# KiCad board AICORS_PCB.kicad_pcb (continued)
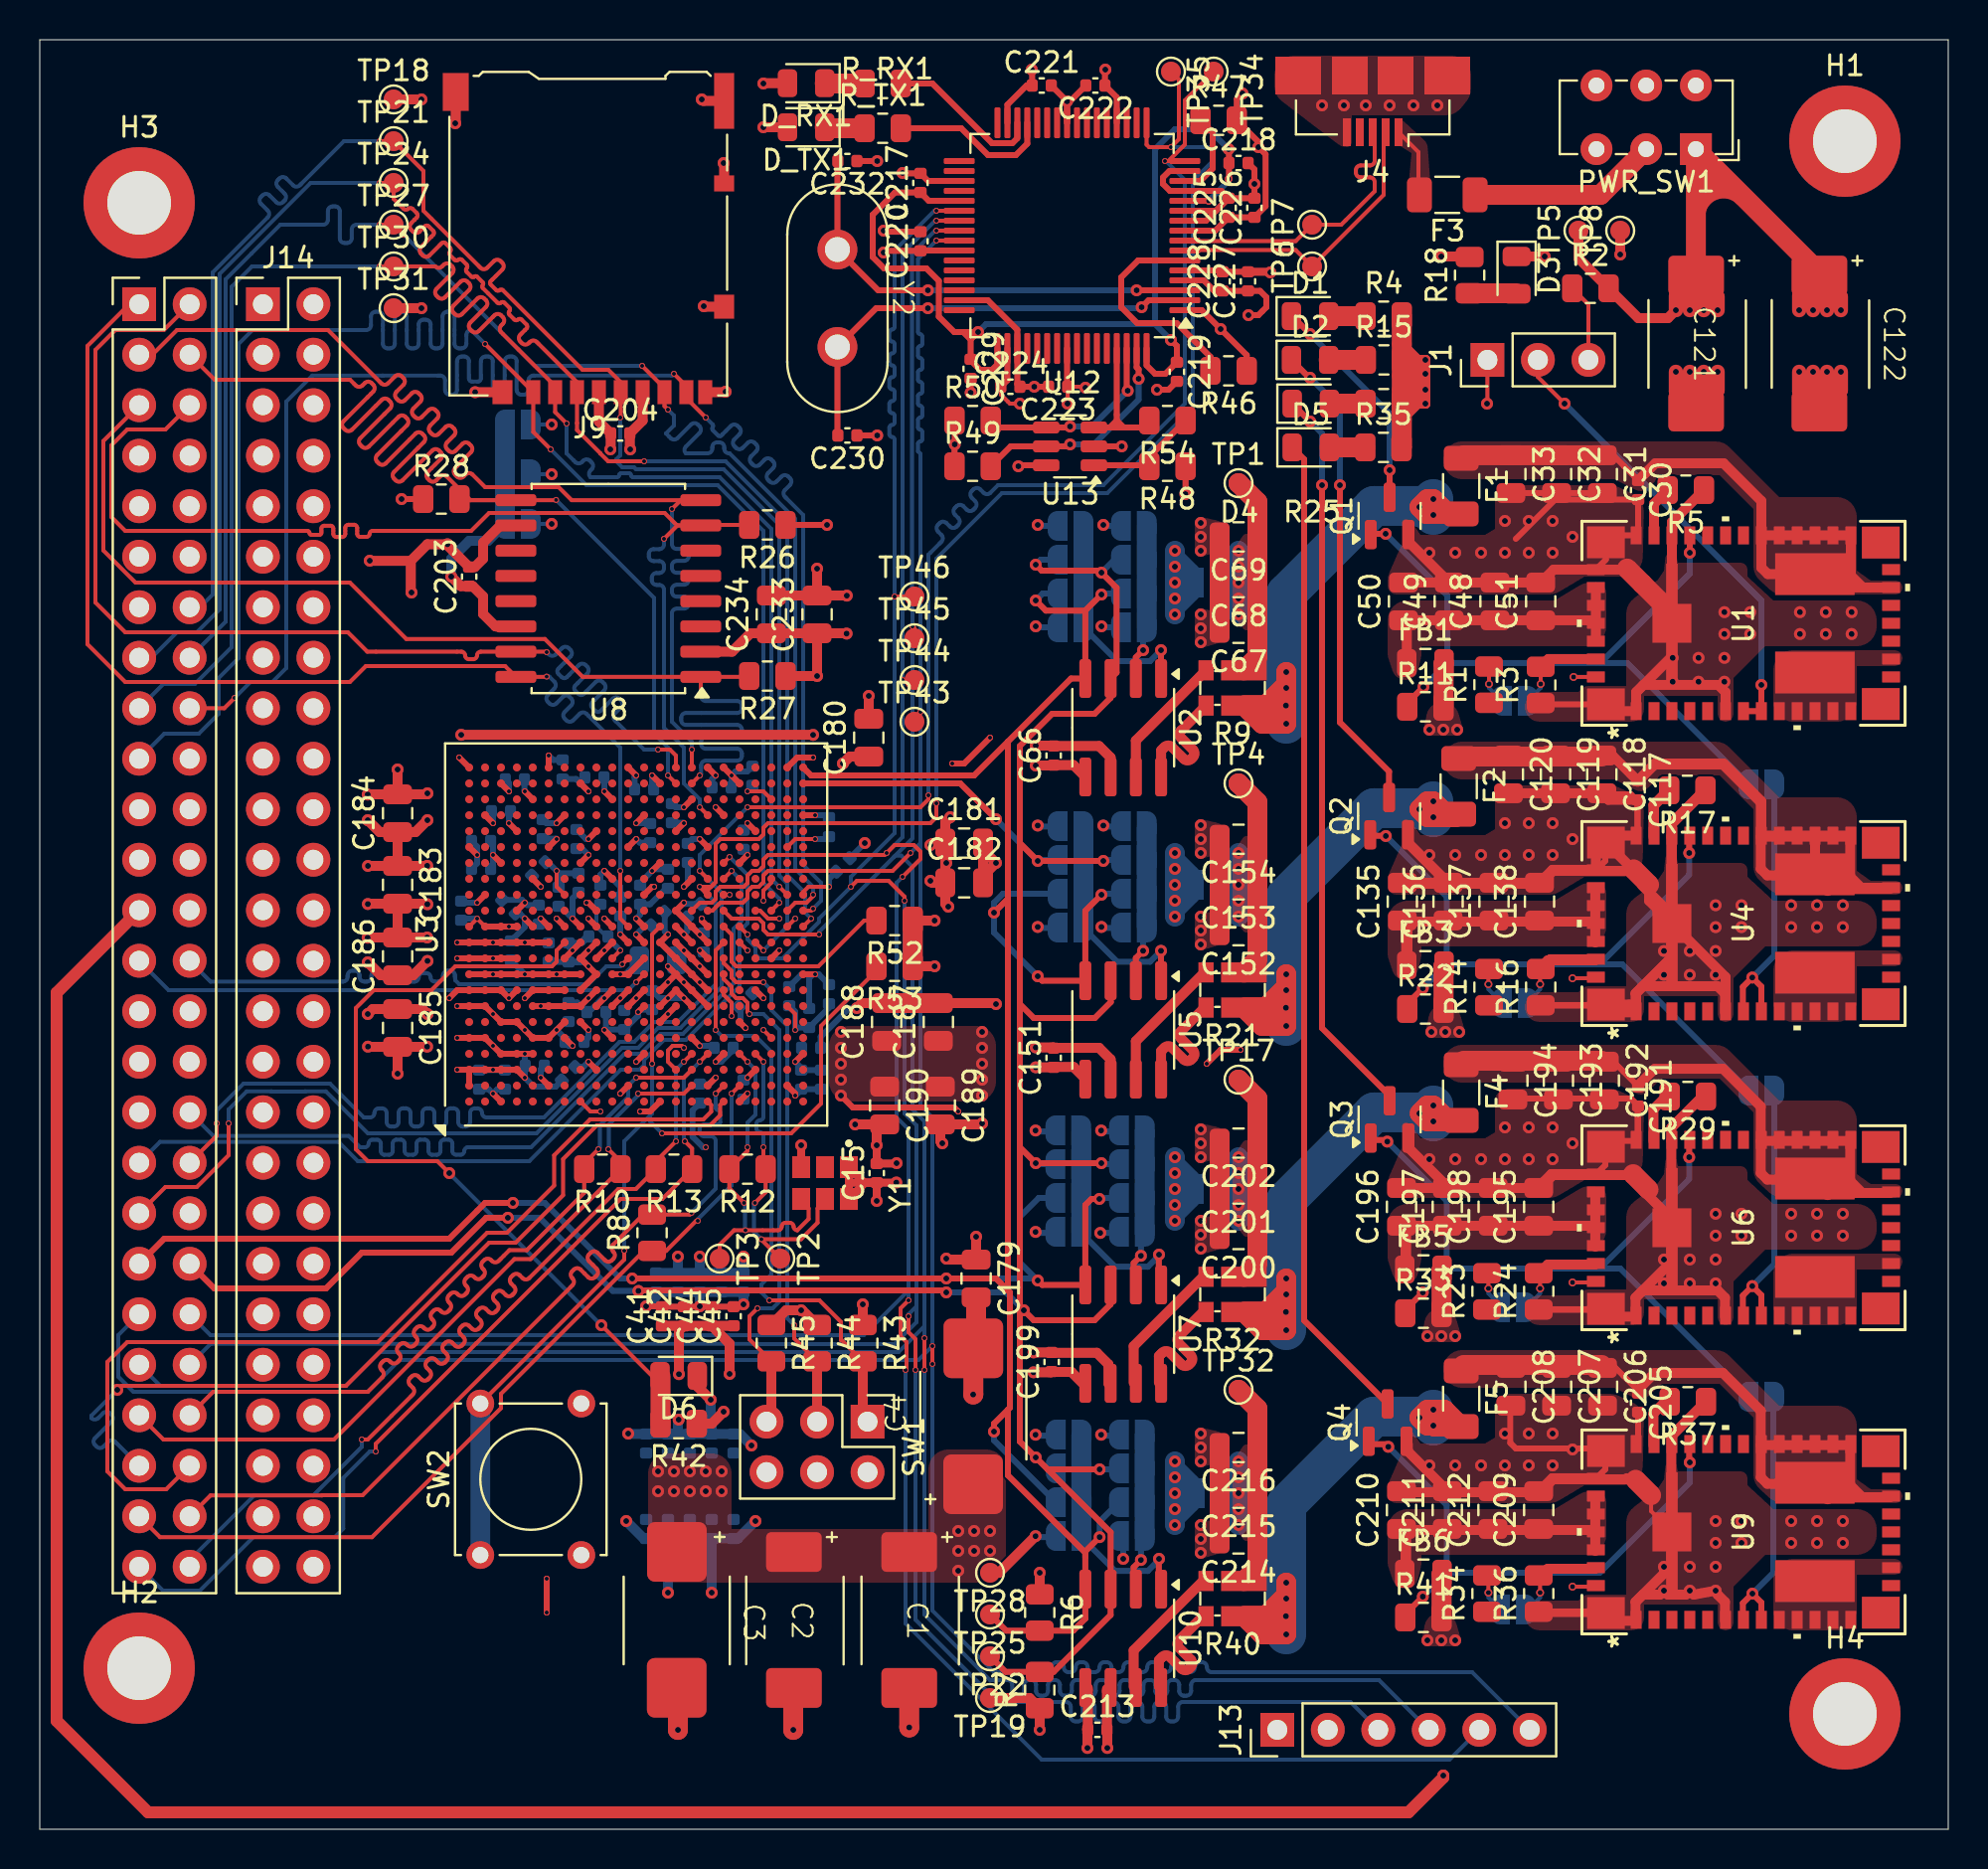
[diagram p0: board, top side]
## Routing (per net, layer and track width the routed paths; a pad name or vN(x,y) marks a point on that pad's centre or on a via; arc(x,y) is an arc through that point) (continued)
UART_2_TX: length 42.3
  Top w0.2: U3.U16 v1(34.7,48.9)
  Bottom w0.2: J10.35 6.05,34.57 15.03,34.57 16,33.6 24.62,33.6 29.22,38.2 30.17,38.2 30.4,38.43 30.4,38.7 31.4,39.7 32.5,39.7 35.2,42.4 35.2,45.17 35.6,45.57 35.6,48 v1(34.7,48.9)
USB_1V8: length 51.7
  Top w0.3: 46.11,75.3 46.45,75.3 46.82,74.93 ; 46.11,75.3 v2(47.2,75.3) 46.82,74.93 ; 46.11,75.3 46,75.3 45.23,76.08 45.23,77.88 44.6,78.5 42.47,78.5 41.9,79.07 41.9,81.2 43.02,82.32 C217.1 44.72,81.9 U12.37 ; 46.82,74.93 C229.1 46.82,73.88 47.3,73.4 47.9,73.4 48.18,73.68 U12.49 ; U12.12 v3(58.8,81.9) ; v2(56.9,74.9) 57.2,74.6 C219.1 56.62,73.2 56.1,73.2 55.68,73.63 U12.64 ; v3(59.8,83) 59.82,83.02 C218.1 59.82,84.48 v2(59.8,84.5)
  Bottom w0.3: 56.1,75.7 47.6,75.7 v2(47.2,75.3) ; 56.1,75.7 56.1,84.5 57.1,85.5 58.8,85.5 v2(59.8,84.5) ; 56.1,75.7 v2(56.9,74.9) ; v3(58.8,81.9) 59.8,82.9 v3(59.8,83)
USB_DATA_N: length 15.7
  Top w0.2: J4.2 67.6,85.25 67.6,82.2 TP6.1 63.18,79.42 57.62,79.42 U12.7 58.23,79.4 58.25,79.43
USB_DATA_P: length 15.7
  Top w0.2: 58.23,79.9 U12.8 57.62,79.88 63.18,79.88 TP7.1 65.46,80.7 67.15,82.39 67.15,82.84 arc(67.08,83.01) 66.91,83.08 66.44,83.08 arc(66.27,83.15) 66.2,83.32 66.2,83.44 arc(66.27,83.61) 66.44,83.68 66.91,83.68 arc(67.08,83.75) 67.15,83.92 67.15,85.25 J4.3
Net-(C30-Pad1): length 39.1
  Top w0.3: 79.7,68.55 79.15,69.1 C31.1 C32.1 C33.1 ; 79.7,68.55 80.4,67.85 C30.1 ; 79.7,68.55 79.7,68.53
  Top w0.5: U1.47 86.92,63.13 86.6,63.45 U1.29 ; U1.21 89.97,62.45 ; C30.1 81.27,68.7 84.7,68.7 86.6,66.8 U1.29 ; U1.29 U1.24 91.1,63.05 91.7,62.45
  Top w0.71: 89.97,62.45 U1.47
  Top w1: F1.1 71.65,69.1 C33.1 C31.1
Net-(C117-Pad1): length 67.6
  Top w0.3: 79.12,53.95 80.37,52.7 80.37,52.68 ; 73.97,53.95 78.57,53.95
  Top w0.5: 91.67,47.3 91.07,47.9 91.07,49.92 86.57,49.92 ; 86.57,49.92 86.57,48.3 86.89,47.97 89.26,47.97 ; 86.57,49.92 86.57,51.65 84.67,53.55 81.24,53.55 80.37,52.68 ; U4.21 89.97,47.35 U4.47 89.3,48.04 U4.26 ; F2.1 71.52,54 C120.1 79.11,54 C117.1 81.24,53.6 84.7,53.6 86.6,51.7 U4.29 U4.24 ; 89.94,47.3 93.09,47.3
  Top w0.71: 89.94,47.3 89.26,47.97
  Top w1: 71.62,53.95 78.57,53.95
Net-(C191-Pad1): length 38.3
  Top w0.3: 78.57,38.65 73.97,38.65 ; 80.37,37.38 80.37,37.4 79.12,38.65
  Top w0.5: 93.09,32 89.94,32 ; 89.26,32.67 86.89,32.67 86.57,33 86.57,34.62 ; 86.57,34.62 91.07,34.62 91.07,32.6 91.67,32 ; 86.57,34.62 86.57,36.35 84.67,38.25 81.24,38.25 80.37,37.38
  Top w0.71: 89.94,32 89.26,32.67
  Top w1: 71.62,38.65 78.57,38.65
Net-(C205-Pad1): length 38.3
  Top w0.3: 78.57,23.35 73.97,23.35 ; 79.12,23.35 80.37,22.1 80.37,22.08
  Top w0.5: 89.94,16.7 93.09,16.7 ; 80.37,22.08 81.24,22.95 84.67,22.95 86.57,21.05 86.57,19.32 ; 86.57,19.32 86.57,17.7 86.89,17.37 89.26,17.37 ; 86.57,19.32 91.07,19.32 91.07,17.3 91.67,16.7
  Top w0.71: 89.94,16.7 89.26,17.37
  Top w1: 71.62,23.35 78.57,23.35
Net-(D1-A): length 1.9
  Top w1: R4.1 D1.2
Net-(D1-K): length 11.2
  Top w0.3: D1.1 63,76.1 v2(63.9,75.2) ; v2(67.9,68.35) Q1.3
  Bottom w0.3: v2(67.9,68.35) 67.9,71.2 v2(63.9,75.2)
Net-(D2-A): length 1.8
  Top w1: 66.65,73.9 D2.2
Net-(D2-K): length 24.1
  Top w0.3: 67.87,51.84 67.87,53.2 65.4,55.67 v2(65.4,67.6) ; v2(63.9,73) 63.86,73 D2.1
  Bottom w0.3: v2(65.4,67.6) 65.4,71.5 v2(63.9,73)
Net-(D3-A): length 2.3
  Top w1: R18.1 74.26,77.25
Net-(D4-A): length 1.8
  Top w1: R25.1 D4.2
Net-(D4-K): length 36.8
  Top w0.3: v2(64.5,67.6) 64.5,40.29 67.9,36.89 ; v2(63.9,70.8) D4.1
  Bottom w0.3: v2(64.5,67.6) 64.5,70.2 v2(63.9,70.8)
Net-(D5-A): length 1.8
  Top w1: R35.1 D5.2
Net-(D5-K): length 50.1
  Top w0.3: Q4.3 63.6,25.59 63.6,68.9 D5.1
Net-(D_RX1-K): length 2
  Top w1: D_RX1.1 39.5,87.8 R_RX1.1
Net-(D_TX1-K): length 2
  Top w1: D_TX1.1 39.54,85.55 R_TX1.1
Net-(F1-Pad2): length 36
  Top w1: 60.57,56.52 61.49,55.6 v2(62.7,55.6) v2(62.7,57.4) ; 60.57,56.52 61.65,56.52 62.7,57.57 v2(62.7,58.2) v2(62.7,57.4) ; 60.57,56.52 61.82,56.52 v2(62.7,57.4) ; 60.57,56.52 v2(62.68,56.52) 62.7,56.5 ; F1.2 70.85,66.15 v2(70.1,66.9) 69.8,66.9 v2(69.4,66.5) 69.75,66.15 F1.2 ; F1.2 71.45,66.1
  Bottom w1: v2(69.4,66.5) 69.8,66.1 v2(70.1,66.1) v2(70.1,66.9)
  Bottom w2: v2(62.7,55.6) 62.7,62.13 67.12,66.55 69.35,66.55 v2(69.4,66.5) 69.7,66.5 ; 69.7,66.5 v2(70.1,66.1) ; 69.7,66.5 v2(70.1,66.9)
Net-(F2-Pad2): length 34.9
  Top w1: v2(62.7,42.2) 61.82,41.32 60.57,41.32 ; v2(62.7,42.2) v2(62.7,43) 62.7,42.37 61.65,41.32 60.57,41.32 ; v2(62.7,42.2) v2(62.7,40.4) 61.49,40.4 60.57,41.32 ; 60.57,41.32 v2(62.68,41.32) 62.7,41.3 ; 70.75,51.05 v2(70.1,51.7) 69.8,51.7 v2(69.4,51.3) 69.8,50.9 v2(70.1,50.9) 71.22,50.9 F2.2 70.75,51.05
  Bottom w1: v2(70.1,50.9) v2(70.1,51.7)
  Bottom w2: 69.7,51.3 v2(70.1,51.7) ; 69.7,51.3 v2(70.1,50.9) ; 69.7,51.3 v2(69.4,51.3) 69.35,51.35 67.12,51.35 62.7,46.93 v2(62.7,40.4)
Net-(F4-Pad2): length 35.8
  Top w1: 60.57,26.02 61.65,26.02 62.7,27.07 v2(62.7,27.7) v2(62.7,26.9) ; 60.57,26.02 v2(62.68,26.02) 62.7,26 ; 60.57,26.02 61.49,25.1 v2(62.7,25.1) v2(62.7,26.9) ; 60.57,26.02 61.82,26.02 v2(62.7,26.9) ; 69.41,36.01 69.81,35.6 v2(70.1,35.6) 71.45,35.6 F4.2 70.85,35.65 v2(70.1,36.4) 69.8,36.4 69.53,36.13
  Bottom w1: v2(70.1,36.4) v2(70.1,35.6) 69.8,35.6 v2(69.4,36)
  Bottom w2: 69.7,36 v2(70.1,36.4) ; 69.7,36 v2(70.1,35.6) ; 69.7,36 v2(69.4,36) 69.35,36.05 67.12,36.05 62.7,31.63 v2(62.7,25.1)
Net-(F5-Pad2): length 35.2
  Top w1: R40.1 61.49,9.8 v2(62.7,9.8) v2(62.7,11.6) ; R40.1 61.65,10.72 62.7,11.77 v2(62.7,12.4) v2(62.7,11.6) ; R40.1 v2(62.68,10.72) 62.7,10.7 ; R40.1 61.82,10.72 v2(62.7,11.6) ; 70.65,21.1 F5.2 70.15,20.25 v2(70.1,20.3) 69.8,20.3 v2(69.4,20.7) 69.8,21.1 v2(70.1,21.1) 70.65,21.1
  Bottom w1: v2(70.1,20.3) v2(70.1,21.1)
  Bottom w2: 69.7,20.7 v2(70.1,20.3) ; 69.7,20.7 v2(69.4,20.7) 69.35,20.75 67.12,20.75 62.7,16.33 v2(62.7,9.8) ; 69.7,20.7 v2(70.1,21.1)
Net-(J1-Pin_3): length 3.9
  Top w0.2: J1.3 77.9,76.69 R2.1
Net-(J4-VBUS): length 3.9
  Top w0.2: J4.1 69.35,84.35 69.35,81.85
Net-(JP1-A): length 4.9
  Top w0.2: R3.2 v3(75.5,57.6)
  Top w0.5: R3.2 75.89,58.85 U1.43
  Bottom w0.2: v3(75.5,57.6) 75.5,57.4 JP1.1
Net-(JP1-B): length 2
  Top w0.2: R1.2 v3(72.9,57.6)
  Bottom w0.2: JP1.2 72.9,57.4 v3(72.9,57.6)
Net-(JP2-A): length 19.8
  Top w1: R9.4 61.25,58.96 C67.1 C69.1 61.25,66.75 TP1.1
  Bottom w0.5: v2(60.3,64.3) 59.35,63.35 JP2.1 59.35,62.05 v2(60.3,61.1)
  Bottom w1: v2(60.3,61.9) 60.15,61.9 JP2.1 59.5,62.7 v2(60.3,63.5) ; v2(60.3,64.3) v2(60.3,61.1)
  vias: v2(60.3,62.7)
Net-(JP4-A): length 7.9
  Top w0.2: 75.47,43.31 v3(75.47,42.5)
  Top w0.5: R16.2 75.99,43.75 U4.43 ; 78.24,43.7 75.86,43.7 75.47,43.31
  Bottom w0.2: 74.82,41.6 75.47,42.25 v3(75.47,42.5)
Net-(JP4-B): length 2
  Top w0.2: 72.87,43.33 v3(72.87,42.5)
  Bottom w0.2: v3(72.87,42.5) 72.87,42.25 73.52,41.6
Net-(JP5-A): length 19.9
  Top w1: C154.1 61.25,51.65 TP4.1 ; 60.57,43.09 61.25,43.76 61.25,49.8
  Bottom w0.5: v2(60.3,49.1) 59.35,48.15 JP5.1 59.35,46.85 v2(60.3,45.9)
  Bottom w1: v2(60.3,49.1) v2(60.3,45.9) ; v2(60.3,48.3) 59.5,47.5 JP5.1 60.15,46.7 v2(60.3,46.7)
  vias: v2(60.3,47.5)
Net-(JP7-A): length 4.9
  Top w0.2: 75.47,28.01 v3(75.47,27.2)
  Top w0.5: 78.24,28.4 75.86,28.4 75.47,28.01
  Bottom w0.2: 74.82,26.3 75.47,26.95 v3(75.47,27.2)
Net-(JP7-B): length 2
  Top w0.2: 72.87,28.03 v3(72.87,27.2)
  Bottom w0.2: v3(72.87,27.2) 72.87,26.95 73.52,26.3
Net-(JP10-A): length 14.1
  Top w0.2: 23.95,60.5 U8.14
  Top w0.5: v2(20.7,63) 21.18,62.52 C203.1 21.78,62.52 22.3,62 22.3,61.12 22.93,60.5 U8.14
  Bottom w0.5: v2(20.7,63) 20.7,63.9 21.6,64.8 22.55,64.8 JP8.1
  Bottom w1: JP8.1 JP9.1 JP10.1
Net-(JP11-A): length 20.3
  Top w1: C202.1 61.25,36.75 TP17.1 ; 61.25,34.5 61.25,28.46 R32.4
  Bottom w0.5: v2(60.3,30.6) 59.35,31.55 JP11.1 59.35,32.85 v2(60.3,33.8)
  Bottom w1: v2(60.3,31.4) 60.15,31.4 JP11.1 59.5,32.2 v2(60.3,33) ; v2(60.3,33.8) v2(60.3,30.6)
  vias: v2(60.3,32.2)
Net-(JP13-A): length 4.9
  Top w0.2: 75.47,12.71 v3(75.47,11.9)
  Top w0.5: 78.24,13.1 75.86,13.1 75.47,12.71
  Bottom w0.2: v3(75.47,11.9) 75.47,11.65 74.82,11
Net-(JP13-B): length 2
  Top w0.2: 72.87,12.73 v3(72.87,11.9)
  Bottom w0.2: v3(72.87,11.9) 72.87,11.65 73.52,11
Net-(JP14-A): length 20
  Top w1: R40.4 61.25,13.16 C214.1 C216.1 61.25,21.15 TP32.1
  Bottom w0.5: v2(60.3,15.3) 59.35,16.25 59.35,16.9 59.35,17.55 v2(60.3,18.5)
  Bottom w1: v2(60.3,16.1) 60.15,16.1 59.35,16.9 59.5,16.9 v2(60.3,17.7) ; v2(60.3,18.5) v2(60.3,15.3)
  vias: v2(60.3,16.9)
Net-(PWR_SW1-B): length 9.8
  Top w1: PWR_SW1.2 78.51,82.2 72.5,82.2 72.15,81.85
Net-(U1-RT/CLK): length 2.6
  Top w0.5: U1.35 81.2,66.67 R5.2
Net-(U1-VIN): length 14.9
  Top w0.5: U1.42 U1.39 ; U1.41 78.12,60.8 C51.1 C50.1 68.76,60.64 ; FB1.1 68.76,60.84
Net-(U2-A0): length 7.9
  Top w0.3: 55.13,57.88 55.13,58.94 v2(55.5,59.3)
  Bottom w0.3: v2(55.5,59.3) 55.5,60.26 J3.5
  Bottom w1: J3.5 J3.5
Net-(U2-A1): length 11.4
  Top w0.3: v2(56.4,59.3) 56.4,57.88 56.41,57.88
  Bottom w0.3: J2.5 54.2,58.75 55.85,58.75 v2(56.4,59.3)
  Bottom w1: J2.5 J2.5
Net-(U2-IN+): length 6.8
  Top w0.5: U2.8 56.41,54.25 56.58,54.43 arc(56.77,54.51) 56.95,54.43 57.55,53.83 arc(57.73,53.75) 57.92,53.83 58.01,53.92 arc(58.09,54.11) 58.01,54.29 57.41,54.89 arc(57.33,55.07) 57.41,55.26 58.67,56.52
Net-(U2-IN-): length 6.8
  Top w0.5: R9.3 55.13,54.75 U2.7
Net-(U3F-INIT_B_0): length 10.3
  Top w0.2: U3.U12 34.8,45 34.8,43.63 35.03,43.4 39.17,43.4 41.47,45.7 R52.2
Net-(U3F-PROGRAM_B_0): length 53.2
  Top w0.2: v1(30.8,38.5) 30.8,45 U3.N12 ; v1(31.3,35) 37.8,35 39.3,36.5 39.3,40.4 42.09,43.19 R53.2 ; SW2.1 29.4,28.65 v1(29.4,29.1)
  Bottom w0.2: 30.7,35.9 30.7,35.6 v1(31.3,35) ; 30.7,35.9 29.4,34.6 v1(29.4,29.1) ; 30.7,35.9 30.8,36 v1(30.8,38.5)
  Bottom w1: SW2.1 SW2.1
Net-(U4-RT/CLK): length 5.2
  Top w0.5: R17.2 81.2,51.49 U4.35 ; 81.86,52.2 81.17,51.51 81.17,49.92
Net-(U4-VIN): length 17
  Top w0.5: 68.73,45.49 68.57,45.65 78.09,45.65 78.24,45.5 ; 68.8,43.36 68.8,45.55 ; 78.24,44.6 78.24,47.3 ; 68.73,43.5 68.73,45.69
Net-(U5-A0): length 7.9
  Top w0.3: 55.13,42.76 55.13,43.82 v2(55.5,44.18)
  Bottom w0.3: v2(55.5,44.18) 55.5,45.14 55.69,45.33
  Bottom w1: 55.69,50.43 55.69,45.33
Net-(U5-A1): length 11.4
  Top w0.3: 56.4,42.76 56.4,42.76 v2(56.4,44.18)
  Bottom w0.3: 52.5,45.33 54.2,43.63 55.85,43.63 v2(56.4,44.18)
  Bottom w1: 52.5,45.33 52.5,50.43
Net-(U5-IN+): length 6.8
  Top w0.5: 56.4,37.81 56.4,39.13 56.58,39.31 arc(56.77,39.39) 56.95,39.31 57.55,38.71 arc(57.73,38.63) 57.92,38.71 58.01,38.8 arc(58.09,38.99) 58.01,39.17 57.41,39.77 arc(57.33,39.95) 57.41,40.14 58.67,41.4
Net-(U5-IN-): length 6.8
  Top w0.5: 58.67,43.17 55.13,39.63 55.13,37.81
Net-(U6-RT/CLK): length 2.6
  Top w0.5: 81.86,36.9 81.17,36.21 81.17,34.62
Net-(U6-VIN): length 17
  Top w0.5: 68.73,28.2 68.73,30.39 ; 68.73,30.19 68.57,30.35 78.09,30.35 78.24,30.2 ; 78.24,29.3 78.24,32 ; 68.7,27.96 68.7,30.15
Net-(U7-A0): length 7.9
  Top w0.3: v2(55.39,28.84) 55.03,28.48 55.03,27.42
  Bottom w0.3: 55.58,29.99 55.39,29.8 v2(55.39,28.84)
  Bottom w1: 55.58,35.09 55.58,29.99
Net-(U7-A1): length 11.4
  Top w0.3: 56.29,28.84 56.29,27.42 56.3,27.42
  Bottom w0.3: 56.29,28.84 55.74,28.29 54.09,28.29 52.39,29.99
  Bottom w1: 52.39,29.99 52.39,35.09
  vias: v2(56.3,28.9)
Net-(U7-IN+): length 6.8
  Top w0.5: 56.3,22.47 56.3,23.8 56.47,23.97 arc(56.66,24.05) 56.84,23.97 57.44,23.37 arc(57.63,23.3) 57.81,23.37 57.9,23.46 arc(57.98,23.65) 57.9,23.83 57.3,24.43 arc(57.22,24.62) 57.3,24.8 58.56,26.06
Net-(U7-IN-): length 6.8
  Top w0.5: 55.03,22.47 55.03,24.3 58.56,27.83
Net-(U9-RT/CLK): length 2.6
  Top w0.5: 81.86,21.6 81.17,20.91 81.17,19.32
Net-(U9-VIN): length 17
  Top w0.5: 68.7,12.76 68.7,14.95 ; 68.73,12.9 68.73,15.09 ; 68.73,14.89 68.57,15.05 78.09,15.05 78.24,14.9 ; 78.24,14 78.24,16.7
Net-(U10-A0): length 7.9
  Top w0.3: v2(55.39,13.54) 55.03,13.18 55.03,12.12
  Bottom w0.3: 55.58,14.69 55.39,14.5 v2(55.39,13.54)
  Bottom w1: 55.58,19.79 55.58,14.69
Net-(U10-A1): length 11.4
  Top w0.3: 56.29,13.54 56.29,12.12 56.3,12.12
  Bottom w0.3: 52.39,14.69 54.09,12.99 55.74,12.99 56.29,13.54
  Bottom w1: 52.39,14.69 52.39,19.79
  vias: v2(56.3,13.6)
Net-(U10-IN+): length 6.8
  Top w0.5: 58.56,10.76 57.3,9.5 arc(57.22,9.32) 57.3,9.13 57.9,8.53 arc(57.98,8.35) 57.9,8.16 57.81,8.07 arc(57.63,8) 57.44,8.07 56.84,8.67 arc(56.66,8.75) 56.47,8.67 56.3,8.5 56.3,7.17
Net-(U10-IN-): length 6.8
  Top w0.5: 58.56,12.53 55.03,9 55.03,7.17
Net-(U12-ACBUS3): length 8.2
  Top w0.3: U12.29 49.68,84.78 49.1,84.2 47.7,84.2 46.35,85.55 R_TX1.2
Net-(U12-ACBUS4): length 8
  Top w0.3: U12.30 49.18,85.05 48.92,84.8 47.9,84.8 44.9,87.8 R_RX1.2
Net-(U12-EECLK): length 9.9
  Top w0.3: v2(51.82,70.55) 51.77,70.5 U13.4 48.19,70.5 R50.2 ; U12.62 54.68,72.4 v2(54.73,72.35)
  Bottom w0.3: v2(51.82,70.55) 52.93,70.55 v2(54.73,72.35)
Net-(U12-EECS): length 11.4
  Top w0.3: v2(51.82,69.65) 51.73,69.55 U13.5 48.84,69.55 R49.2 ; v2(55.27,72.95) 55.27,73.43 55.18,73.53 U12.63
  Bottom w0.3: v2(51.82,69.65) 53.02,69.65 55.27,71.9 v2(55.27,72.95)
Net-(U12-EEDATA): length 7.5
  Top w0.3: 54.18,70.85 54.52,70.5 ; 54.18,70.85 53.82,70.5 ; 54.18,70.85 U12.61 ; 54.52,70.5 55.46,70.5 R54.2 ; 54.52,70.5 53.82,70.5 ; 53.82,70.5 U13.3
Net-(U12-OSCI): length 22.9
  Top w0.3: 40.15,70.1 40.12,70.12 Y2.2 42.07,76.5 v2(44.68,76.5) ; U12.2 55.77,76.9 v2(55.43,76.55)
  Bottom w0.3: v2(44.68,76.5) 55.38,76.5 v2(55.43,76.55)
Net-(U12-OSCO): length 22.8
  Top w0.3: v2(44.68,77.4) 42.18,77.4 Y2.1 40.12,83.88 40.15,83.9 ; v2(55.18,77.4) U12.3
  Bottom w0.3: v2(44.68,77.4) v2(55.18,77.4)
Net-(U12-REF): length 11.3
  Top w0.3: U12.6 55.25,78.9 54.4,78.05 54.4,76.55 55.2,75.75 57.19,75.75 58.89,74.05 R46.2
Net-(U12-~{RESET}): length 4.3
  Top w0.3: U12.14 58.37,82.9 59,83.53 59,85.34 R47.1
Net-(U13-DO): length 5.5
  Top w0.3: U13.1 55.39,68.6 R54.1

## Copper pours and planes (outline as drawn; the poured copper is in the pictures)
+1.8V on In4.Cu: 34.1,44.3 37.9,44.3 37.9,40.9 40.8,40.9 40.8,36 37.9,36 37.9,27.5 57.8,27.5 57.8,35.4 46.4,35.4 46.4,54.2 34.1,54.2
+1.8V on In4.Cu: 26.4,40.9 30,40.9 30.6,39.9 30.6,36 20.2,36 20.2,54.2 34.1,54.2 34.1,44.3 32.6,44.3 31.8,45 26.4,45
+2.5V on Top: 39.7,40.4 39.7,36.6 48.1,36.6 48.1,40.4
+2.5V on In4.Cu: 32.4,39.8 32.9,40.9 40.8,40.9 40.8,36 32.4,36
+2.5V on In4.Cu: 46.4,35.4 57.8,35.4 57.8,52.9 46.4,52.9
+3.3V on In3.Cu: 61.7,90 61.7,66.6 66,66.6 66,0 0,0 0,90
+5V on Top (solid shape): 83.7,83.4 83.7,81.5 84.37,82.19 85.1,82.2 83.9,83.4
+5V on Top: 69.8,24.5 71.2,24.5 71.5,24.8 71.1,26.2 69.8,26.2 69.5,24.8
+5V on Top: 70,39.8 71.4,39.8 71.7,40.1 71.3,41.5 70,41.5 69.7,40.1
+5V on Top: 69.8,9.2 71.2,9.2 71.5,9.5 71.1,10.9 69.8,10.9 69.5,9.5
+5V on Top: 69.9,55 71.3,55 71.6,55.3 71.2,56.7 69.9,56.7 69.6,55.3
+5V on In3.Cu: 61.7,90 61.7,66.6 66,66.6 66,0 96,0 96,90
AGND_1 on Top: 74.7,57.2 77.4,57.2 77.7,57.5 79.8,57.5 79.8,61.6 81.41,62.85 81.7,63.3 81.8,64.2 82.3,64.2 82.4,63.7 85.9,63.7 85.9,63 87.2,61.8 92.4,61.8 92.4,59.5 86.8,59.5 85.2,57.9 85.2,55.7 84.4,55.7 84.4,57 80.7,57 80.7,55.7 74.7,55.7
AGND_1 on In1.Cu: 75.14,55.61 94.24,55.61 94.24,61.81 79.64,61.81 79.64,57.11 75.14,57.11
AGND_2 on Top: 74.7,26.85 77.4,26.85 77.7,27.15 79.8,27.15 79.8,31.25 81.41,32.5 81.7,32.95 81.8,33.85 82.3,33.85 82.4,33.35 85.9,33.35 85.9,32.65 87.2,31.45 92.4,31.45 92.4,29.15 86.8,29.15 85.2,27.55 85.2,25.35 84.4,25.35 84.4,26.65 80.7,26.65 80.7,25.35 74.7,25.35
AGND_2 on In1.Cu: 74.7,25.35 93.8,25.35 93.8,31.55 79.2,31.55 79.2,26.85 74.7,26.85
AGND_3 on Top: 74.7,42.1 77.4,42.1 77.7,42.4 79.8,42.4 79.8,46.5 81.41,47.75 81.7,48.2 81.8,49.1 82.3,49.1 82.4,48.6 85.9,48.6 85.9,47.9 87.2,46.7 92.4,46.7 92.4,44.4 86.8,44.4 85.2,42.8 85.2,40.6 84.4,40.6 84.4,41.9 80.7,41.9 80.7,40.6 74.7,40.6
AGND_3 on In1.Cu: 74.7,40.87 93.8,40.87 93.8,47.07 79.2,47.07 79.2,42.37 74.7,42.37
AGND_4 on Top: 74.7,11.5 77.4,11.5 77.7,11.8 79.8,11.8 79.8,15.9 81.41,17.15 81.7,17.6 81.8,18.5 82.3,18.5 82.4,18 85.9,18 85.9,17.3 87.2,16.1 92.4,16.1 92.4,13.8 86.8,13.8 85.2,12.2 85.2,10 84.4,10 84.4,11.3 80.7,11.3 80.7,10 74.7,10
AGND_4 on In1.Cu: 74.7,9.9 93.8,9.9 93.8,16.1 79.2,16.1 79.2,11.4 74.7,11.4
GND on Top: 67.8,47 67.8,47.9 68.5,49.5 68.5,50.8 68.9,50.8 69.45,50 72.7,50 73.2,50.3 73.2,52.2 73.7,52.5 79.2,52.5 80.7,51.8 80.63,48.53 80.1,47.9 77.7,47.9 76.2,47
GND on Top: 58.1,65.7 58.1,64.3 58.4,64 59.8,64.4 59.8,65.7 58.4,66
GND on Top: 58.1,35.2 58.1,33.8 58.4,33.5 59.8,33.9 59.8,35.2 58.4,35.5
GND on Top: 58.1,19.9 58.1,18.5 58.4,18.2 59.8,18.6 59.8,19.9 58.4,20.2
GND on Top: 58.1,30.6 58.1,29.2 58.4,28.9 59.8,29.3 59.8,30.6 58.4,30.9
GND on Top: 58.1,45.9 58.1,44.5 58.4,44.2 59.8,44.6 59.8,45.9 58.4,46.2
GND on Top: 58.1,61.1 58.1,59.7 58.4,59.4 59.8,59.8 59.8,61.1 58.4,61.4
GND on Top: 62.1,89.2 62.1,87.2 65.5,84.6 66,84.6 66,86.2 71.2,86.2 72,87.2 72,89.2
GND on Top: 67.8,31.75 67.8,32.65 68.5,34.25 68.5,35.55 68.9,35.55 69.45,34.75 72.7,34.75 73.2,35.05 73.2,36.95 73.7,37.25 79.2,37.25 80.7,36.55 80.63,33.28 80.1,32.65 77.7,32.65 76.2,31.75
GND on Top: 58.1,15.3 58.1,13.9 58.4,13.6 59.8,14 59.8,15.3 58.4,15.6
GND on Top: 67.8,16.4 67.8,17.3 68.5,18.9 68.5,20.2 68.9,20.2 69.45,19.4 72.7,19.4 73.2,19.7 73.2,21.6 73.7,21.9 79.2,21.9 80.7,21.2 80.63,17.93 80.1,17.3 77.7,17.3 76.2,16.4
GND on Top: 67.8,62.1 67.8,63 68.5,64.6 68.5,65.9 68.9,65.9 69.45,65.1 72.7,65.1 73.2,65.4 73.2,67.3 73.7,67.6 79.2,67.6 80.7,66.9 80.63,63.63 80.1,63 77.7,63 76.2,62.1
GND on Top: 58.1,50.5 58.1,49.1 58.4,48.8 59.8,49.2 59.8,50.5 58.4,50.8
GND on In1.Cu: 0,90 96,90 96,0 0,0
GND on In6.Cu: 0,90 96,90 96,0 0,0
VCCINT on Top: 30.6,18.9 30.6,12.4 48.6,12.4 48.6,19.1 44.7,19.1 44.7,15.1 34.8,15.1 34.8,18.9
VCCINT on Bottom: 30.1,19.3 35.3,19.3 35.3,15.1 30.1,15.1
VCCINT on In4.Cu: 30.6,40.9 30.6,16.1 37.8,16.1 37.8,19.2 37.9,36 32.4,36 32.4,40.9
VCCINT on In4.Cu: 57.6,19.1 57.6,12.4 45.7,12.4 45.7,19.1
VCCINT on In4.Cu: 26.4,45 26.4,40.9 37.9,40.9 37.9,44.3 32.6,44.3 31.8,45
Net-(C30-Pad1) on Top: 93.7,62.1 87.3,62.1 86.2,63.1 86.2,66.4 84.5,68.1 81.6,68.1 80.7,67.3 80.4,67.3 79.2,67.9 70.6,67.9 70.6,69.8 84.7,69.8 87.5,67 91.4,67 91.4,63.3 92.1,62.8 93.7,62.8
Net-(C117-Pad1) on Top: 93.7,47 87.3,47 86.2,48 86.2,51.3 84.5,53 81.6,53 80.7,52.2 80.4,52.2 79.2,52.8 70.6,52.8 70.6,54.7 84.7,54.7 87.5,51.9 91.4,51.9 91.4,48.2 92.1,47.7 93.7,47.7
Net-(C191-Pad1) on Top: 93.7,31.75 87.3,31.75 86.2,32.75 86.2,36.05 84.5,37.75 81.6,37.75 80.7,36.95 80.4,36.95 79.2,37.55 70.6,37.55 70.6,39.45 84.7,39.45 87.5,36.65 91.4,36.65 91.4,32.95 92.1,32.45 93.7,32.45
Net-(C205-Pad1) on Top: 93.7,16.4 87.3,16.4 86.2,17.4 86.2,20.7 84.5,22.4 81.6,22.4 80.7,21.6 80.4,21.6 79.2,22.2 70.6,22.2 70.6,24.1 84.7,24.1 87.5,21.3 91.4,21.3 91.4,17.6 92.1,17.1 93.7,17.1
Net-(J4-VBUS) on Top: 68.2,84.8 69,84.3 68.8,82.1 70,82.1 69.8,84.8 68.5,86 68.2,86
Net-(JP2-A) on Top: 60.9,65.6 60,64.3 60,61.1 60.9,59.9
Net-(JP5-A) on Top: 60.9,50.4 60,49.1 60,45.9 60.9,44.7
Net-(JP11-A) on Top: 60.9,35.1 60,33.8 60,30.6 60.9,29.4
Net-(JP14-A) on Top: 60.9,19.8 60,18.5 60,15.3 60.9,14.1
Net-(U1-PH-Pad10) on Top: 87.2,55.7 87.2,59.3 93.7,59.3 93.7,58.5 91.4,58.5 91.4,55.7
Net-(U1-VIN) on Top: 68.2,57.8 67.8,59 67.8,61.8 76.2,61.8 77.7,62.7 78.8,62.7 78.8,59.5 69.5,59.5 69.5,59 69.2,57.8
Net-(U4-PH-Pad10) on Top: 87.2,40.6 87.2,44.2 93.7,44.2 93.7,43.4 91.4,43.4 91.4,40.6
Net-(U4-VIN) on Top: 68.2,42.7 67.8,43.9 67.8,46.7 76.2,46.7 77.7,47.6 78.8,47.6 78.8,44.4 69.5,44.4 69.5,43.9 69.2,42.7
Net-(U6-PH-Pad10) on Top: 87.2,25.35 87.2,28.95 93.7,28.95 93.7,28.15 91.4,28.15 91.4,25.35
Net-(U6-VIN) on Top: 68.2,27.45 67.8,28.65 67.8,31.45 76.2,31.45 77.7,32.35 78.8,32.35 78.8,29.15 69.5,29.15 69.5,28.65 69.2,27.45
Net-(U9-PH-Pad10) on Top: 87.2,10 87.2,13.6 93.7,13.6 93.7,12.8 91.4,12.8 91.4,10
Net-(U9-VIN) on Top: 68.2,12.1 67.8,13.3 67.8,16.1 76.2,16.1 77.7,17 78.8,17 78.8,13.8 69.5,13.8 69.5,13.3 69.2,12.1

Small or netless copper shapes (teardrops, artwork), in the pictures only: 2 on In4.Cu
